# Altium PCB FMC_ADC_100M_10B_16CHA_TDC.PcbDoc (part 2 of 4)
Units mm, origin at the board's own origin, x right, y up, seen from the top; angles counter-clockwise.
Board outline 76.78 x 69 mm, 6 copper layers (TOP, G1, L1, G2, POWER, BOTTOM), stack 1.282 mm thick; 796 components, 673 nets, 2963 pads, 62 vias.
Unrouted connection lines stored in the file: 2096.
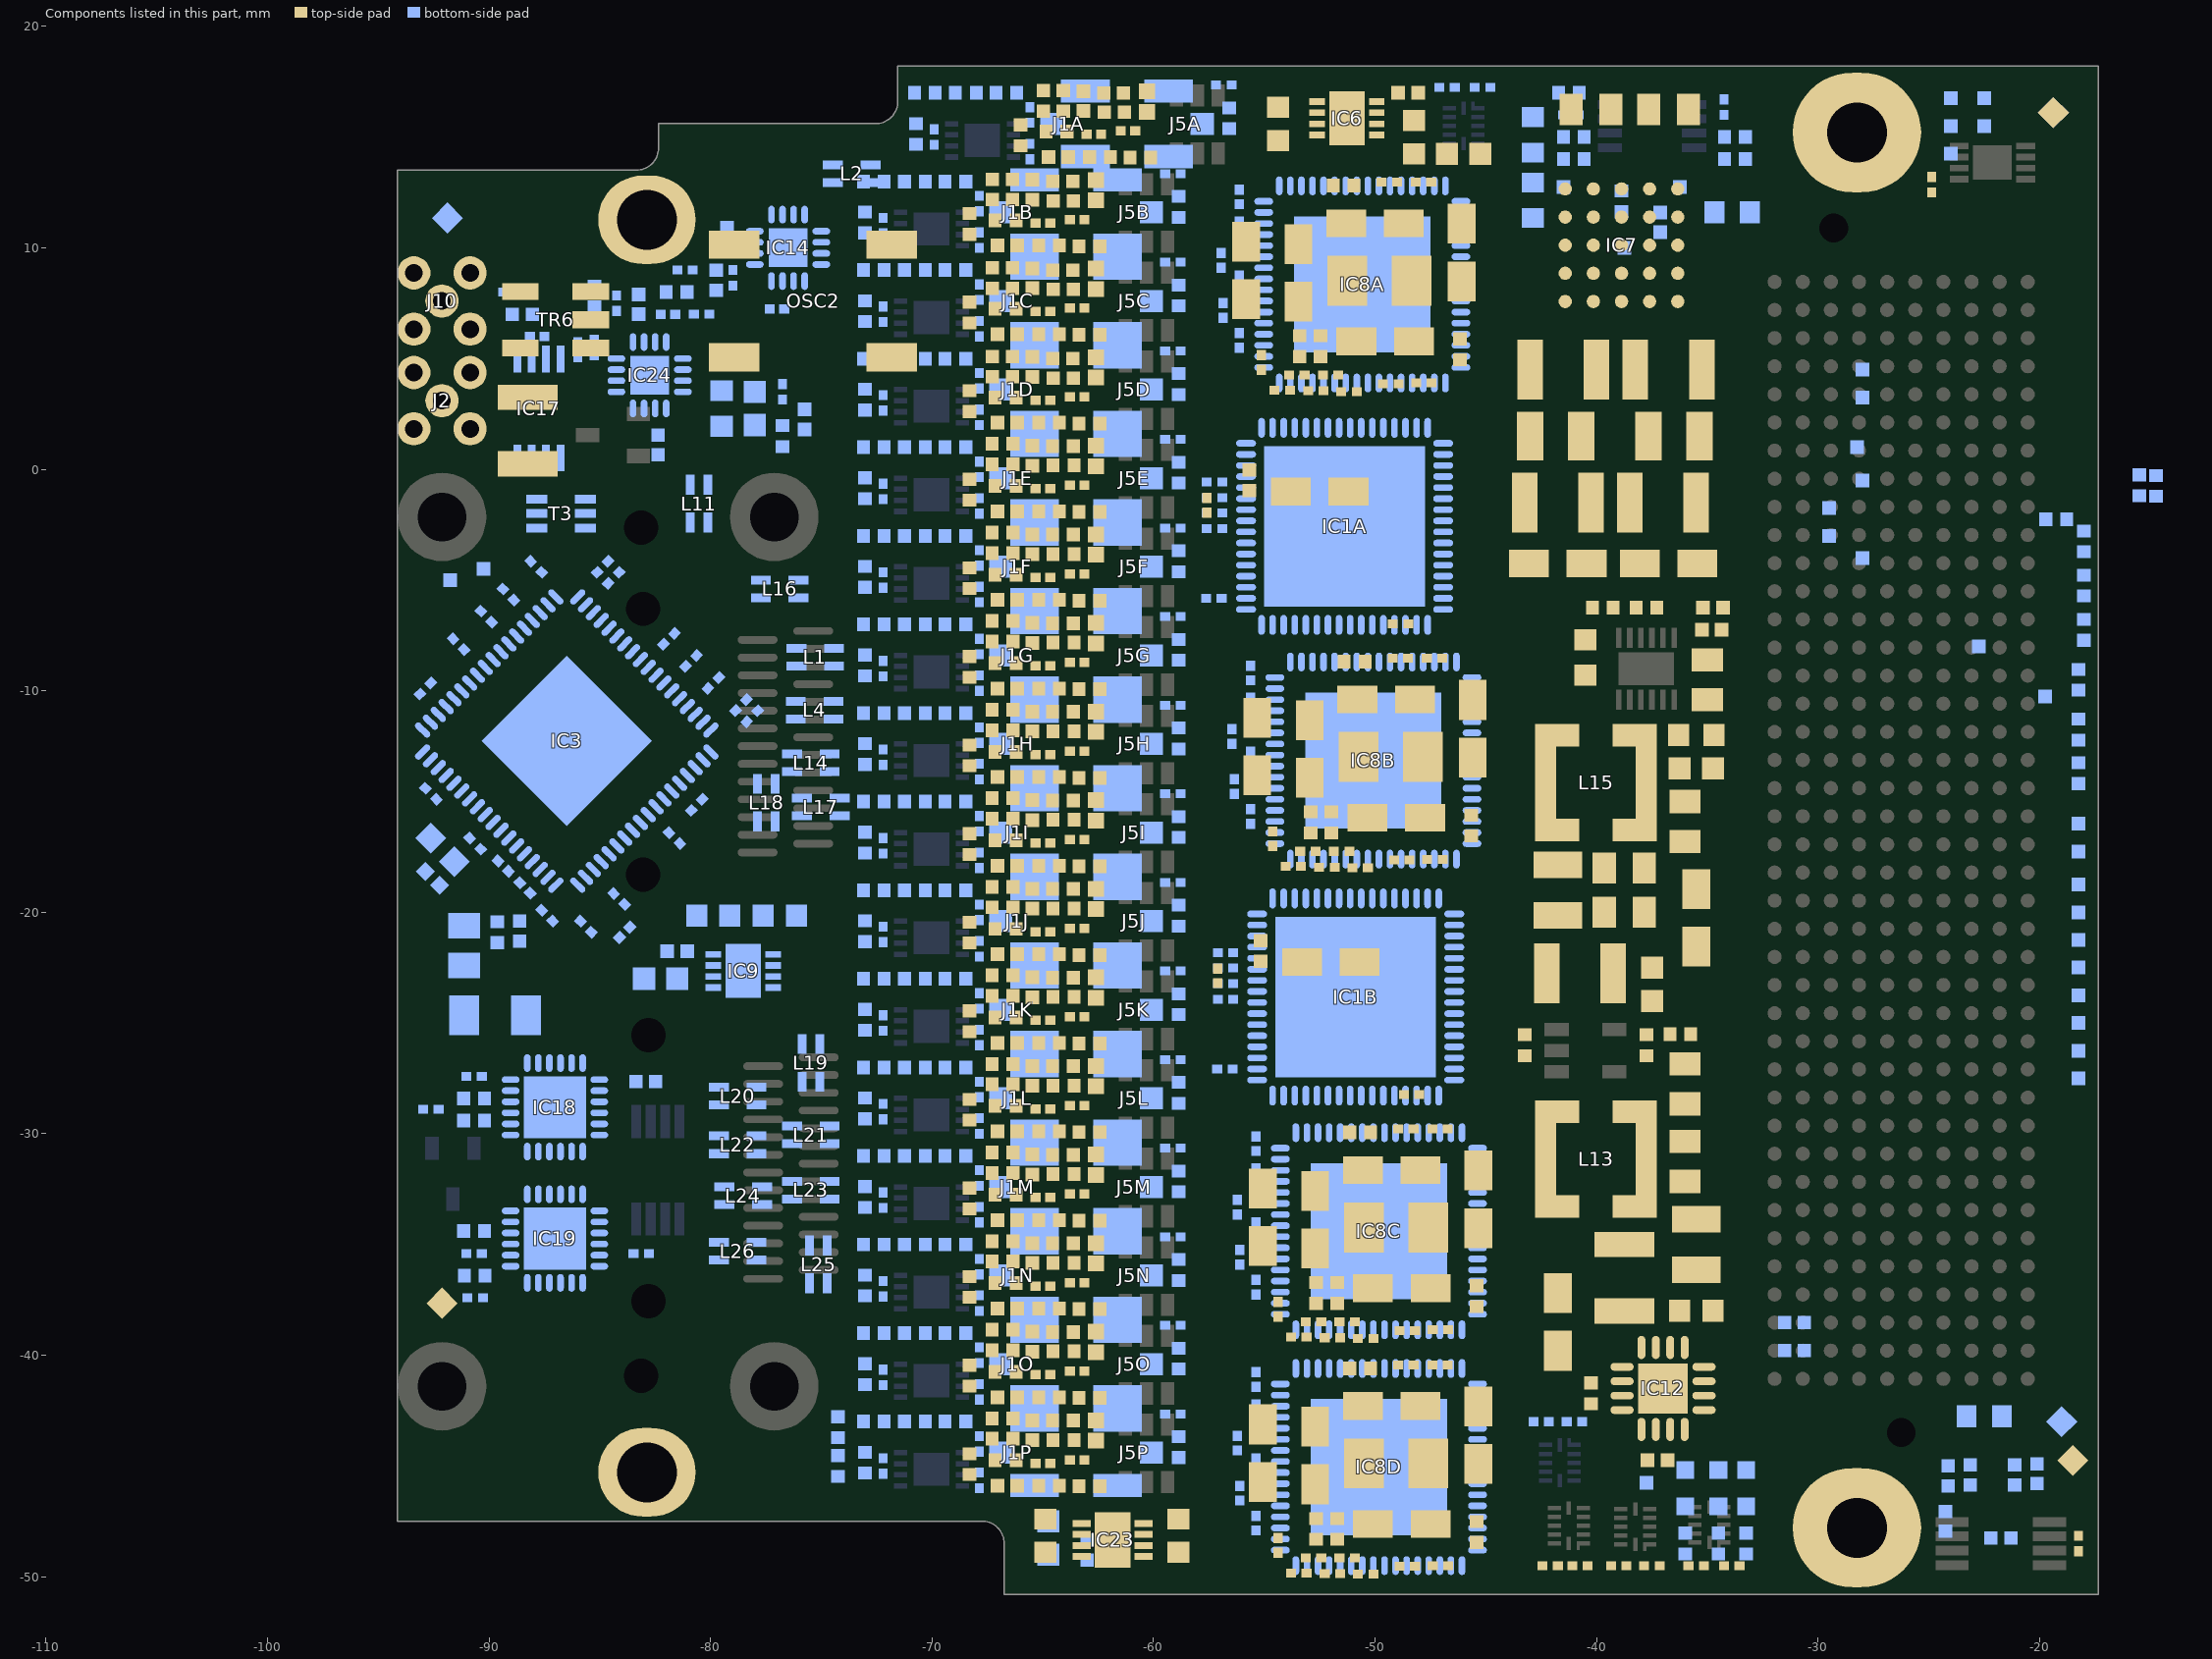
[diagram p5: the components of this part, seen from the top]

## Components (designator, comment, footprint, x,y, rotation, side; value= is the part's Value field where it differs from the comment) (continued)
L27 "120R@100MHz" INDC1608X65N -35.5,-13.5 r0 top
L28 "1uH" INDC2620X100N -35.5,-35 r270 top
L29 "1uH" INDC2620X100N -41.75,-19 r270 top
L30 "120R@100MHz" INDC1608X65N -37.5,-23.25 r270 top
L31 "600R@100MHz" INDC1005X55N -79.75,8.54 r90 bottom
LD3 "Green" LED_KINGBRIGHT_KPH-1608CGCK -34.5,-46 r270 bottom
LD5 "Green" LED_KINGBRIGHT_KPH-1608CGCK -36,-46 r270 bottom
LD8 "Green" LED_KINGBRIGHT_KPH-1608CGCK -33.25,-46 r270 bottom
OSC2 "100MHz" OSC_CRYSTEK_CVHD-950 -75.375,7.6 r180 top locked
R1A "100" RESC0603X28N -57.6,-1.621 r270 top (schematic designator R1)
R1B "100" RESC0603X28N -57.1,-22.871 r270 top (schematic designator R1)
R2 "4R7" RESC1005X40N#1 -74.25,-45 r90 bottom
R3 "Undefined" RESC1005X40N#1 -74.25,-43.25 r270 bottom
R4 "10k" RESC1005X40N#2 -82.925,-27.65 r0 bottom
R5 "10k" RESC1005X40N#2 -21.75,-48.25 r0 bottom
R6 "100k" RESC1005X40N#1 -37.75,-26 r270 top
R7A "20" RESC1005X40N#2 -61.775,16.125 r0 top (schematic designator R7)
R7B "20" RESC1005X40N#2 -64.075,12.125 r0 top (schematic designator R7)
R7C "20" RESC1005X40N#2 -64.075,8.125 r0 top (schematic designator R7)
R7D "20" RESC1005X40N#2 -64.075,4.125 r0 top (schematic designator R7)
R7E "20" RESC1005X40N#1 -64.065,0.175 r0 top (schematic designator R7)
R7F "20" RESC1005X40N#1 -64.065,-3.825 r0 top (schematic designator R7)
R7G "20" RESC1005X40N#1 -64.065,-7.825 r0 top (schematic designator R7)
R7H "20" RESC1005X40N#1 -64.065,-11.825 r0 top (schematic designator R7)
R7I "20" RESC1005X40N#1 -64.065,-15.825 r0 top (schematic designator R7)
R7J "20" RESC1005X40N#1 -64.065,-19.825 r0 top (schematic designator R7)
R7K "20" RESC1005X40N#1 -64.065,-23.825 r0 top (schematic designator R7)
R7L "20" RESC1005X40N#1 -64.065,-27.825 r0 top (schematic designator R7)
R7M "20" RESC1005X40N#1 -64.065,-31.825 r0 top (schematic designator R7)
R7N "20" RESC1005X40N#1 -64.065,-35.825 r0 top (schematic designator R7)
R7O "20" RESC1005X40N#1 -64.065,-39.825 r0 top (schematic designator R7)
R7P "20" RESC1005X40N#1 -64.065,-43.825 r0 top (schematic designator R7)
R8 "43k" RESC1005X40N#1 -36.22,-25.5 r180 top
R9 "1k" RESC1005X40N#1 -36,-48.5 r270 bottom
R10 "2k2" RESC1005X40N#1 -41.03,15 r180 bottom
R11 "1k" RESC1005X40N#1 -34.5,-48.5 r270 bottom
R12 "2k2" RESC1005X40N#1 -41.03,14 r180 bottom
R14 "10k" RESC1005X40N#1 -43.25,-26 r90 top
R17 "10k" RESC1005X40N#1 -33.25,-48.5 r270 bottom
R19A "47" RESC1005X40N#2 -64.525,16.175 r0 top (schematic designator R19)
R19B "47" RESC1005X40N#2 -66.825,12.175 r0 top (schematic designator R19)
R19C "47" RESC1005X40N#2 -66.825,8.175 r0 top (schematic designator R19)
R19D "47" RESC1005X40N#2 -66.825,4.175 r0 top (schematic designator R19)
R19E "47" RESC1005X40N#1 -66.815,0.225 r0 top (schematic designator R19)
R19F "47" RESC1005X40N#1 -66.815,-3.775 r0 top (schematic designator R19)
R19G "47" RESC1005X40N#1 -66.815,-7.775 r0 top (schematic designator R19)
R19H "47" RESC1005X40N#1 -66.815,-11.775 r0 top (schematic designator R19)
R19I "47" RESC1005X40N#1 -66.815,-15.775 r0 top (schematic designator R19)
R19J "47" RESC1005X40N#1 -66.815,-19.775 r0 top (schematic designator R19)
R19K "47" RESC1005X40N#1 -66.815,-23.775 r0 top (schematic designator R19)
R19L "47" RESC1005X40N#1 -66.815,-27.775 r0 top (schematic designator R19)
R19M "47" RESC1005X40N#1 -66.815,-31.775 r0 top (schematic designator R19)
R19N "47" RESC1005X40N#1 -66.815,-35.775 r0 top (schematic designator R19)
R19O "47" RESC1005X40N#1 -66.815,-39.775 r0 top (schematic designator R19)
R19P "47" RESC1005X40N#1 -66.815,-43.775 r0 top (schematic designator R19)
R20 "100" RESC0603X28N -81.92,7 r0 bottom
R21A "100" RESC0603X28N -61.15,15.275 r180 top (schematic designator R21)
R21B "100" RESC0603X28N -63.45,11.275 r180 top (schematic designator R21)
R21C "100" RESC0603X28N -63.45,7.275 r180 top (schematic designator R21)
R21D "100" RESC0603X28N -63.45,3.275 r180 top (schematic designator R21)
R21E "100" RESC0603X28N -63.45,-0.725 r180 top (schematic designator R21)
R21F "100" RESC0603X28N -63.45,-4.725 r180 top (schematic designator R21)
R21G "100" RESC0603X28N -63.45,-8.725 r180 top (schematic designator R21)
R21H "100" RESC0603X28N -63.45,-12.725 r180 top (schematic designator R21)
R21I "100" RESC0603X28N -63.45,-16.725 r180 top (schematic designator R21)
R21J "100" RESC0603X28N -63.45,-20.725 r180 top (schematic designator R21)
R21K "100" RESC0603X28N -63.45,-24.725 r180 top (schematic designator R21)
R21L "100" RESC0603X28N -63.45,-28.725 r180 top (schematic designator R21)
R21M "100" RESC0603X28N -63.45,-32.725 r180 top (schematic designator R21)
R21N "100" RESC0603X28N -63.45,-36.725 r180 top (schematic designator R21)
R21O "100" RESC0603X28N -63.45,-40.725 r180 top (schematic designator R21)
R21P "100" RESC0603X28N -63.45,-44.725 r180 top (schematic designator R21)
R23 "0" RESC1005X40N#2 -31.066,-39.795 r0 bottom
R24A "47" RESC1005X40N#2 -64.525,17.1 r0 top (schematic designator R24)
R24B "47" RESC1005X40N#2 -66.825,13.1 r0 top (schematic designator R24)
R24C "47" RESC1005X40N#2 -66.825,9.1 r0 top (schematic designator R24)
R24D "47" RESC1005X40N#2 -66.825,5.1 r0 top (schematic designator R24)
R24E "47" RESC1005X40N#1 -66.815,1.15 r0 top (schematic designator R24)
R24F "47" RESC1005X40N#1 -66.815,-2.85 r0 top (schematic designator R24)
R24G "47" RESC1005X40N#1 -66.815,-6.85 r0 top (schematic designator R24)
R24H "47" RESC1005X40N#1 -66.815,-10.85 r0 top (schematic designator R24)
R24I "47" RESC1005X40N#1 -66.815,-14.85 r0 top (schematic designator R24)
R24J "47" RESC1005X40N#1 -66.815,-18.85 r0 top (schematic designator R24)
R24K "47" RESC1005X40N#1 -66.815,-22.85 r0 top (schematic designator R24)
R24L "47" RESC1005X40N#1 -66.815,-26.85 r0 top (schematic designator R24)
R24M "47" RESC1005X40N#1 -66.815,-30.85 r0 top (schematic designator R24)
R24N "47" RESC1005X40N#1 -66.815,-34.85 r0 top (schematic designator R24)
R24O "47" RESC1005X40N#1 -66.815,-38.85 r0 top (schematic designator R24)
R24P "47" RESC1005X40N#1 -66.815,-42.85 r0 top (schematic designator R24)
R25A "20" RESC1005X40N#2 -61.8,17 r0 top (schematic designator R25)
R25B "20" RESC1005X40N#2 -64.1,13 r0 top (schematic designator R25)
R25C "20" RESC1005X40N#2 -64.1,9 r0 top (schematic designator R25)
R25D "20" RESC1005X40N#2 -64.1,5 r0 top (schematic designator R25)
R25E "20" RESC1005X40N#1 -64.09,1.05 r0 top (schematic designator R25)
R25F "20" RESC1005X40N#1 -64.09,-2.95 r0 top (schematic designator R25)
R25G "20" RESC1005X40N#1 -64.09,-6.95 r0 top (schematic designator R25)
R25H "20" RESC1005X40N#1 -64.09,-10.95 r0 top (schematic designator R25)
R25I "20" RESC1005X40N#1 -64.09,-14.95 r0 top (schematic designator R25)
R25J "20" RESC1005X40N#1 -64.09,-18.95 r0 top (schematic designator R25)
R25K "20" RESC1005X40N#1 -64.09,-22.95 r0 top (schematic designator R25)
R25L "20" RESC1005X40N#1 -64.09,-26.95 r0 top (schematic designator R25)
R25M "20" RESC1005X40N#1 -64.09,-30.95 r0 top (schematic designator R25)
R25N "20" RESC1005X40N#1 -64.09,-34.95 r0 top (schematic designator R25)
R25O "20" RESC1005X40N#1 -64.09,-38.95 r0 top (schematic designator R25)
R25P "20" RESC1005X40N#1 -64.09,-42.95 r0 top (schematic designator R25)
R26 "1k" RESC1005X40N#1 -76.75,1.5 r90 bottom
R27 "0" RESC1005X40N#2 -31.066,-38.525 r0 bottom
R29 "100" RESC0603X28N -89.358,-17.917 r135 bottom
R30 "100" RESC0603X28N -83.875,-20.9 r225 bottom
R31 "82k" RESC1005X40N#1 -89.625,-20.9 r90 bottom
R32 "10k" RESC1005X40N#2 -24.25,-47.5 r90 bottom
R33 "10k" RESC1005X40N#1 -40.25,-41.72 r270 top
R34 "11k8" RESC1608X55N -33.875,11.6 r0 bottom
R36 "5k62" RESC1608X55N -42.875,12.15 r90 bottom
R38 "1k78" RESC1608X55N -42.875,15.1 r90 bottom
R39 "0" RESC1005X40N#2 -21.125,-45.4 r90 bottom
R40 "0" RESC1005X40N#2 -88.5,7 r180 bottom
R42 "0" RESC1005X40N#2 -23.125,-45.4 r90 bottom
R43 "10k" RESC1005X40N#2 -20.125,-45.35 r270 bottom
R44 "10k" RESC1005X40N#2 -24.125,-45.45 r270 bottom
R45 "200k" RESC1005X40N#1 -38.875,12.1 r270 bottom
R46 "160k" RESC1005X40N#1 -37.75,-6.25 r180 top
R47 "56k" RESC1005X40N#1 -39.72,-6.25 r180 top
R48 "10k" RESC1005X40N#2 -88.625,-20.85 r90 bottom
R49 "10k" RESC1005X40N#1 -19.25,-2.25 r180 bottom
R50 "100" RESC0603X28N -77,7.25 r180 bottom
R51 "470" RESC1005X40N#1 -18.25,-9.5 r90 bottom
R52 "49R9" RESC3225X70N -88.25,1.75 r90 top
R54 "470" RESC1005X40N#2 -82.375,1.1 r90 bottom
R55 "470" RESC1005X40N#1 -18.25,-13.72 r90 bottom
R56 "470" RESC1005X40N#1 -18.25,-11.75 r90 bottom
R57 "470" RESC1005X40N#1 -18,-3.25 r90 bottom
R58 "470" RESC1005X40N#1 -14.75,-0.75 r90 bottom
R59 "470" RESC1005X40N#1 -18,-7.25 r90 bottom
R60 "470" RESC1005X40N#1 -15.5,-0.72 r90 bottom
R61 "470" RESC1005X40N#1 -18,-5.25 r90 bottom
R74 "4k7" RESC1608X55N -22.5,-42.75 r180 bottom
R75 "100" RESC0603X28N -87.83,6 r180 bottom
R82 "100" RESC0603X28N -88.375,-18.9 r135 bottom
R83 "2k2" RESC1005X40N#1 -33.75,15 r0 bottom
R110A "270" RESC1005X40N#1 -66,15.08 r270 top (schematic designator R110)
R110B "270" RESC1005X40N#1 -68.3,11.08 r270 top (schematic designator R110)
R110C "270" RESC1005X40N#1 -68.3,7.08 r270 top (schematic designator R110)
R110D "270" RESC1005X40N#1 -68.3,3.08 r270 top (schematic designator R110)
R110E "270" RESC1005X40N#1 -68.3,-0.92 r270 top (schematic designator R110)
R110F "270" RESC1005X40N#1 -68.3,-4.92 r270 top (schematic designator R110)
R110G "270" RESC1005X40N#1 -68.3,-8.92 r270 top (schematic designator R110)
R110H "270" RESC1005X40N#1 -68.3,-12.92 r270 top (schematic designator R110)
R110I "270" RESC1005X40N#1 -68.3,-16.92 r270 top (schematic designator R110)
R110J "270" RESC1005X40N#1 -68.3,-20.92 r270 top (schematic designator R110)
R110K "270" RESC1005X40N#1 -68.3,-24.92 r270 top (schematic designator R110)
R110L "270" RESC1005X40N#1 -68.3,-28.92 r270 top (schematic designator R110)
R110M "270" RESC1005X40N#1 -68.3,-32.92 r270 top (schematic designator R110)
R110N "270" RESC1005X40N#1 -68.3,-36.92 r270 top (schematic designator R110)
R110O "270" RESC1005X40N#1 -68.3,-40.92 r270 top (schematic designator R110)
R110P "270" RESC1005X40N#1 -68.3,-44.92 r270 top (schematic designator R110)
R111A "120" RESC1005X40N#1 -66.645,17 r0 bottom (schematic designator R111)
R111B "120" RESC1005X40N#1 -68.945,13 r0 bottom (schematic designator R111)
R111C "120" RESC1005X40N#1 -68.945,9 r0 bottom (schematic designator R111)
R111D "120" RESC1005X40N#1 -68.945,5 r0 bottom (schematic designator R111)
R111E "120" RESC1005X40N#1 -68.945,1 r0 bottom (schematic designator R111)
R111F "120" RESC1005X40N#1 -68.945,-3 r0 bottom (schematic designator R111)
R111G "120" RESC1005X40N#1 -68.945,-7 r0 bottom (schematic designator R111)
R111H "120" RESC1005X40N#1 -68.945,-11 r0 bottom (schematic designator R111)
R111I "120" RESC1005X40N#1 -68.945,-15 r0 bottom (schematic designator R111)
R111J "120" RESC1005X40N#1 -68.945,-19 r0 bottom (schematic designator R111)
R111K "120" RESC1005X40N#1 -68.945,-23 r0 bottom (schematic designator R111)
R111L "120" RESC1005X40N#1 -68.945,-27 r0 bottom (schematic designator R111)
R111M "120" RESC1005X40N#1 -68.945,-31 r0 bottom (schematic designator R111)
R111N "120" RESC1005X40N#1 -68.945,-35 r0 bottom (schematic designator R111)
R111O "120" RESC1005X40N#1 -68.945,-39 r0 bottom (schematic designator R111)
R111P "120" RESC1005X40N#1 -68.945,-43 r0 bottom (schematic designator R111)
R112A "4R7" RESC1005X40N#1 -64.38,15.25 r0 top (schematic designator R112)
R112B "4R7" RESC1005X40N#1 -66.68,11.25 r0 top (schematic designator R112)
R112C "4R7" RESC1005X40N#1 -66.68,7.25 r0 top (schematic designator R112)
R112D "4R7" RESC1005X40N#1 -66.68,3.25 r0 top (schematic designator R112)
R112E "4R7" RESC1005X40N#1 -66.68,-0.75 r0 top (schematic designator R112)
R112F "4R7" RESC1005X40N#1 -66.68,-4.75 r0 top (schematic designator R112)
R112G "4R7" RESC1005X40N#1 -66.68,-8.75 r0 top (schematic designator R112)
R112H "4R7" RESC1005X40N#1 -66.68,-12.75 r0 top (schematic designator R112)
R112I "4R7" RESC1005X40N#1 -66.68,-16.75 r0 top (schematic designator R112)
R112J "4R7" RESC1005X40N#1 -66.68,-20.75 r0 top (schematic designator R112)
R112K "4R7" RESC1005X40N#1 -66.68,-24.75 r0 top (schematic designator R112)
R112L "4R7" RESC1005X40N#1 -66.68,-28.75 r0 top (schematic designator R112)
R112M "4R7" RESC1005X40N#1 -66.68,-32.75 r0 top (schematic designator R112)
R112N "4R7" RESC1005X40N#1 -66.68,-36.75 r0 top (schematic designator R112)
R112O "4R7" RESC1005X40N#1 -66.68,-40.75 r0 top (schematic designator R112)
R112P "4R7" RESC1005X40N#1 -66.68,-44.75 r0 top (schematic designator R112)
R113A "120" RESC1005X40N#1 -70.325,17 r180 bottom (schematic designator R113)
R113B "120" RESC1005X40N#1 -72.625,13 r180 bottom (schematic designator R113)
R113C "120" RESC1005X40N#1 -72.625,9 r180 bottom (schematic designator R113)
R113D "120" RESC1005X40N#1 -72.625,5 r180 bottom (schematic designator R113)
R113E "120" RESC1005X40N#1 -72.625,1 r180 bottom (schematic designator R113)
R113F "120" RESC1005X40N#1 -72.625,-3 r180 bottom (schematic designator R113)
R113G "120" RESC1005X40N#1 -72.625,-7 r180 bottom (schematic designator R113)
R113H "120" RESC1005X40N#1 -72.625,-11 r180 bottom (schematic designator R113)
R113I "120" RESC1005X40N#1 -72.625,-15 r180 bottom (schematic designator R113)
R113J "120" RESC1005X40N#1 -72.625,-19 r180 bottom (schematic designator R113)
R113K "120" RESC1005X40N#1 -72.625,-23 r180 bottom (schematic designator R113)
R113L "120" RESC1005X40N#1 -72.625,-27 r180 bottom (schematic designator R113)
R113M "120" RESC1005X40N#1 -72.625,-31 r180 bottom (schematic designator R113)
R113N "120" RESC1005X40N#1 -72.625,-35 r180 bottom (schematic designator R113)
R113O "120" RESC1005X40N#1 -72.625,-39 r180 bottom (schematic designator R113)
R113P "120" RESC1005X40N#1 -72.625,-43 r180 bottom (schematic designator R113)
R114A "160" RESC1005X40N#1 -68.475,17 r180 bottom (schematic designator R114)
R114B "160" RESC1005X40N#1 -70.775,13 r180 bottom (schematic designator R114)
R114C "160" RESC1005X40N#1 -70.775,9 r180 bottom (schematic designator R114)
R114D "160" RESC1005X40N#1 -70.775,5 r180 bottom (schematic designator R114)
R114E "160" RESC1005X40N#1 -70.775,1 r180 bottom (schematic designator R114)
R114F "160" RESC1005X40N#1 -70.775,-3 r180 bottom (schematic designator R114)
R114G "160" RESC1005X40N#1 -70.775,-7 r180 bottom (schematic designator R114)
R114H "160" RESC1005X40N#1 -70.775,-11 r180 bottom (schematic designator R114)
R114I "160" RESC1005X40N#1 -70.775,-15 r180 bottom (schematic designator R114)
R114J "160" RESC1005X40N#1 -70.775,-19 r180 bottom (schematic designator R114)
R114K "160" RESC1005X40N#1 -70.775,-23 r180 bottom (schematic designator R114)
R114L "160" RESC1005X40N#1 -70.775,-27 r180 bottom (schematic designator R114)
R114M "160" RESC1005X40N#1 -70.775,-31 r180 bottom (schematic designator R114)
R114N "160" RESC1005X40N#1 -70.775,-35 r180 bottom (schematic designator R114)
R114O "160" RESC1005X40N#1 -70.775,-39 r180 bottom (schematic designator R114)
R114P "160" RESC1005X40N#1 -70.775,-43 r180 bottom (schematic designator R114)
R115A "100" RESC0603X28N -62.7,15.125 r180 top (schematic designator R115)
R115B "100" RESC0603X28N -65,11.125 r180 top (schematic designator R115)
R115C "100" RESC0603X28N -65,7.125 r180 top (schematic designator R115)
R115D "100" RESC0603X28N -65,3.125 r180 top (schematic designator R115)
R115E "100" RESC0603X28N -65,-0.875 r180 top (schematic designator R115)
R115F "100" RESC0603X28N -65,-4.875 r180 top (schematic designator R115)
R115G "100" RESC0603X28N -65,-8.875 r180 top (schematic designator R115)
R115H "100" RESC0603X28N -65,-12.875 r180 top (schematic designator R115)
R115I "100" RESC0603X28N -65,-16.875 r180 top (schematic designator R115)
R115J "100" RESC0603X28N -65,-20.875 r180 top (schematic designator R115)
R115K "100" RESC0603X28N -65,-24.875 r180 top (schematic designator R115)
R115L "100" RESC0603X28N -65,-28.875 r180 top (schematic designator R115)
R115M "100" RESC0603X28N -65,-32.875 r180 top (schematic designator R115)
R115N "100" RESC0603X28N -65,-36.875 r180 top (schematic designator R115)
R115O "100" RESC0603X28N -65,-40.875 r180 top (schematic designator R115)
R115P "100" RESC0603X28N -65,-44.875 r180 top (schematic designator R115)
R116A "51" RESC1005X40N#1 -56.575,15.85 r270 bottom (schematic designator R116)
R116B "51" RESC1005X40N#1 -58.875,11.85 r270 bottom (schematic designator R116)
R116C "51" RESC1005X40N#1 -58.875,7.85 r270 bottom (schematic designator R116)
R116D "51" RESC1005X40N#1 -58.875,3.85 r270 bottom (schematic designator R116)
R116E "51" RESC1005X40N#1 -58.875,-0.15 r270 bottom (schematic designator R116)
R116F "51" RESC1005X40N#1 -58.875,-4.15 r270 bottom (schematic designator R116)
R116G "51" RESC1005X40N#1 -58.875,-8.15 r270 bottom (schematic designator R116)
R116H "51" RESC1005X40N#1 -58.875,-12.15 r270 bottom (schematic designator R116)
R116I "51" RESC1005X40N#1 -58.875,-16.15 r270 bottom (schematic designator R116)
R116J "51" RESC1005X40N#1 -58.875,-20.15 r270 bottom (schematic designator R116)
R116K "51" RESC1005X40N#1 -58.875,-24.15 r270 bottom (schematic designator R116)
R116L "51" RESC1005X40N#1 -58.875,-28.15 r270 bottom (schematic designator R116)
R116M "51" RESC1005X40N#1 -58.875,-32.15 r270 bottom (schematic designator R116)
R116N "51" RESC1005X40N#1 -58.875,-36.15 r270 bottom (schematic designator R116)
R116O "51" RESC1005X40N#1 -58.875,-40.15 r270 bottom (schematic designator R116)
R116P "51" RESC1005X40N#1 -58.875,-44.15 r270 bottom (schematic designator R116)
R117A "270" RESC1005X40N#1 -70.725,15.145 r90 bottom (schematic designator R117)
R117B "270" RESC1005X40N#1 -73.025,11.145 r90 bottom (schematic designator R117)
R117C "270" RESC1005X40N#1 -73.025,7.145 r90 bottom (schematic designator R117)
R117D "270" RESC1005X40N#1 -73.025,3.145 r90 bottom (schematic designator R117)
R117E "270" RESC1005X40N#1 -73.025,-0.855 r90 bottom (schematic designator R117)
R117F "270" RESC1005X40N#1 -73.025,-4.855 r90 bottom (schematic designator R117)
R117G "270" RESC1005X40N#1 -73.025,-8.855 r90 bottom (schematic designator R117)
R117H "270" RESC1005X40N#1 -73.025,-12.855 r90 bottom (schematic designator R117)
R117I "270" RESC1005X40N#1 -73.025,-16.855 r90 bottom (schematic designator R117)
R117J "270" RESC1005X40N#1 -73.025,-20.855 r90 bottom (schematic designator R117)
R117K "270" RESC1005X40N#1 -73.025,-24.855 r90 bottom (schematic designator R117)
R117L "270" RESC1005X40N#1 -73.025,-28.855 r90 bottom (schematic designator R117)
R117M "270" RESC1005X40N#1 -73.025,-32.855 r90 bottom (schematic designator R117)
R117N "270" RESC1005X40N#1 -73.025,-36.855 r90 bottom (schematic designator R117)
R117O "270" RESC1005X40N#1 -73.025,-40.855 r90 bottom (schematic designator R117)
R117P "270" RESC1005X40N#1 -73.025,-44.855 r90 bottom (schematic designator R117)
R118A "120" RESC1005X40N#1 -62.42,14.1 r0 top (schematic designator R118)
R118B "120" RESC1005X40N#1 -64.72,10.1 r0 top (schematic designator R118)
R118C "120" RESC1005X40N#1 -64.72,6.1 r0 top (schematic designator R118)
R118D "120" RESC1005X40N#1 -64.72,2.1 r0 top (schematic designator R118)
R118E "120" RESC1005X40N#1 -64.72,-1.9 r0 top (schematic designator R118)
R118F "120" RESC1005X40N#1 -64.72,-5.9 r0 top (schematic designator R118)
R118G "120" RESC1005X40N#1 -64.72,-9.9 r0 top (schematic designator R118)
R118H "120" RESC1005X40N#1 -64.72,-13.9 r0 top (schematic designator R118)
R118I "120" RESC1005X40N#1 -64.72,-17.9 r0 top (schematic designator R118)
R118J "120" RESC1005X40N#1 -64.72,-21.9 r0 top (schematic designator R118)
R118K "120" RESC1005X40N#1 -64.72,-25.9 r0 top (schematic designator R118)
R118L "120" RESC1005X40N#1 -64.72,-29.9 r0 top (schematic designator R118)
R118M "120" RESC1005X40N#1 -64.72,-33.9 r0 top (schematic designator R118)
R118N "120" RESC1005X40N#1 -64.72,-37.9 r0 top (schematic designator R118)
R118O "120" RESC1005X40N#1 -64.72,-41.9 r0 top (schematic designator R118)
R118P "120" RESC1005X40N#1 -64.72,-45.9 r0 top (schematic designator R118)
R120A "4R7" RESC1005X40N#1 -60.595,14.075 r180 top (schematic designator R120)
R120B "4R7" RESC1005X40N#1 -62.895,10.075 r180 top (schematic designator R120)
R120C "4R7" RESC1005X40N#1 -62.895,6.075 r180 top (schematic designator R120)
R120D "4R7" RESC1005X40N#1 -62.895,2.075 r180 top (schematic designator R120)
R120E "4R7" RESC1005X40N#1 -62.895,-1.925 r180 top (schematic designator R120)
R120F "4R7" RESC1005X40N#1 -62.895,-5.925 r180 top (schematic designator R120)
R120G "4R7" RESC1005X40N#1 -62.895,-9.925 r180 top (schematic designator R120)
R120H "4R7" RESC1005X40N#1 -62.895,-13.925 r180 top (schematic designator R120)
R120I "4R7" RESC1005X40N#1 -62.895,-17.925 r180 top (schematic designator R120)
R120J "4R7" RESC1005X40N#1 -62.895,-21.925 r180 top (schematic designator R120)
R120K "4R7" RESC1005X40N#1 -62.895,-25.925 r180 top (schematic designator R120)
R120L "4R7" RESC1005X40N#1 -62.895,-29.925 r180 top (schematic designator R120)
R120M "4R7" RESC1005X40N#1 -62.895,-33.925 r180 top (schematic designator R120)
R120N "4R7" RESC1005X40N#1 -62.895,-37.925 r180 top (schematic designator R120)
R120O "4R7" RESC1005X40N#1 -62.895,-41.925 r180 top (schematic designator R120)
R120P "4R7" RESC1005X40N#1 -62.895,-45.925 r180 top (schematic designator R120)
R121 "0" RESC1005X40N#1 -90.675,-28.4 r0 bottom
R122 "0" RESC1005X40N#1 -90.675,-29.4 r0 bottom
R123 "0" RESC1005X40N#1 -90.675,-34.4 r0 bottom
R124 "0" RESC1005X40N#1 -90.645,-36.4 r0 bottom
R125A "100" RESC0603X28N -56.859,7.172 r90 bottom (schematic designator R125)
R125B "100" RESC0603X28N -56.359,-14.328 r90 bottom (schematic designator R125)
R125C "100" RESC0603X28N -56.109,-35.578 r90 bottom (schematic designator R125)
R125D "100" RESC0603X28N -56.109,-46.228 r90 bottom (schematic designator R125)
R126A "100" RESC0603X28N -56.122,12.303 r90 bottom (schematic designator R126)
R126B "100" RESC0603X28N -55.622,-9.197 r90 bottom (schematic designator R126)
R126C "100" RESC0603X28N -55.372,-30.447 r90 bottom (schematic designator R126)
R126D "100" RESC0603X28N -55.372,-41.097 r90 bottom (schematic designator R126)
R127A "100" RESC0603X28N -56.125,10.85 r90 bottom (schematic designator R127)
R127B "100" RESC0603X28N -55.625,-10.65 r90 bottom (schematic designator R127)
R127C "100" RESC0603X28N -55.375,-31.9 r90 bottom (schematic designator R127)
R127D "100" RESC0603X28N -55.375,-42.55 r90 bottom (schematic designator R127)
R128A "100" RESC0603X28N -56.125,5.82 r90 bottom (schematic designator R128)
R128B "100" RESC0603X28N -55.625,-15.68 r90 bottom (schematic designator R128)
R128C "100" RESC0603X28N -55.375,-36.93 r90 bottom (schematic designator R128)
R128D "100" RESC0603X28N -55.375,-47.58 r90 bottom (schematic designator R128)
R129A "100" RESC0603X28N -55.125,4.82 r90 top (schematic designator R129)
R129B "100" RESC0603X28N -54.625,-16.68 r90 top (schematic designator R129)
R129C "100" RESC0603X28N -54.375,-37.93 r90 top (schematic designator R129)
R129D "100" RESC0603X28N -54.375,-48.58 r90 top (schematic designator R129)
R130A "100" RESC0603X28N -56.96,9.433 r90 bottom (schematic designator R130)
R130B "100" RESC0603X28N -56.46,-12.067 r90 bottom (schematic designator R130)
R130C "100" RESC0603X28N -56.21,-33.317 r90 bottom (schematic designator R130)
R130D "100" RESC0603X28N -56.21,-43.967 r90 bottom (schematic designator R130)
R131A "100" RESC0603X28N -56.122,8.417 r90 bottom (schematic designator R131)
R131B "100" RESC0603X28N -55.622,-13.083 r90 bottom (schematic designator R131)
R131C "100" RESC0603X28N -55.372,-34.333 r90 bottom (schematic designator R131)
R131D "100" RESC0603X28N -55.372,-44.983 r90 bottom (schematic designator R131)
R132A "10" RESC1005X40N#1 -51.423,12.811 r180 top (schematic designator R132)
R132B "10" RESC1005X40N#1 -50.923,-8.689 r180 top (schematic designator R132)
R132C "10" RESC1005X40N#1 -50.673,-29.939 r180 top (schematic designator R132)
R132D "10" RESC1005X40N#1 -50.673,-40.589 r180 top (schematic designator R132)
R134A "10" RESC1005X40N#1 -46.165,5.419 r90 top (schematic designator R134)
R134B "10" RESC1005X40N#1 -45.665,-16.081 r90 top (schematic designator R134)
R134C "10" RESC1005X40N#1 -45.415,-37.331 r90 top (schematic designator R134)
R134D "10" RESC1005X40N#1 -45.415,-47.981 r90 top (schematic designator R134)
R135A "10" RESC1005X40N#1 -53.404,5.559 r270 top (schematic designator R135)
R135B "10" RESC1005X40N#1 -52.904,-15.941 r270 top (schematic designator R135)
R135C "10" RESC1005X40N#1 -52.654,-37.191 r270 top (schematic designator R135)
R135D "10" RESC1005X40N#1 -52.654,-47.841 r270 top (schematic designator R135)
R137A "10" RESC1005X40N#1 -52.464,5.559 r270 top (schematic designator R137)
R137B "10" RESC1005X40N#1 -51.964,-15.941 r270 top (schematic designator R137)
R137C "10" RESC1005X40N#1 -51.714,-37.191 r270 top (schematic designator R137)
R137D "10" RESC1005X40N#1 -51.714,-47.841 r270 top (schematic designator R137)
R165 "470" RESC1005X40N#1 -81.53,8 r180 bottom
R178 "2k2" RESC1005X40N#1 -33.75,14 r0 bottom
R179 "100k" RESC1005X40N#1 -41.25,17 r180 bottom
T3 "PMGD280UN" SOT65P210X110-6N -86.75,-2 r0 bottom
TP2 "Test Point" TPS62 -22.5,16.75 r90 bottom
TP3 "Test Point" TPS62 -24,16.75 r90 bottom
TP4 "Test Point" TPS62 -24,15.5 r90 bottom
TP5 "Test Point" TPS62 -38.75,10 r90 bottom
TP6 "Test Point" TPS62 -36.25,12.75 r90 bottom
TP7 "Test Point" TPS62 -41.5,12.75 r90 bottom
TP8 "Test Point" TPS62 -22.5,15.5 r90 bottom
TP9 "Test Point" TPS62 -24,14.25 r90 bottom
TP10 "Test Point" TPS62 -29.5,-1.75 r90 bottom
TP11 "Test Point" TPS62 -18.25,-21.25 r90 bottom
TP12 "Test Point" TPS62 -18.25,-16 r90 bottom
TP13 "Test Point" TPS62 -18.25,-23.75 r90 bottom
TP14 "Test Point" TPS62 -18.25,-22.5 r90 bottom
TP15 "Test Point" TPS62 -91.75,-5 r90 bottom
TP16 "Test Point" TPS62 -18.25,-27.5 r90 bottom
TP17 "Test Point" TPS62 -28,-0.5 r0 bottom
TP18 "Test Point" TPS62 -18.25,-20 r0 bottom
TP19 "Test Point" TPS62 -18.25,-18.75 r0 bottom
TP20 "Test Point" TPS62 -18.25,-25 r0 bottom
TP21 "Test Point" TPS62 -28,4.5 r90 bottom
TP22 "Test Point" TPS62 -19.75,-10.25 r90 bottom
TP23 "Test Point" TPS62 -37.75,-45.75 r90 bottom
TP24 "Test Point" TPS62 -18.25,-17.25 r90 bottom
TP25 "Test Point" TPS62 -28,-4 r90 bottom
TP26 "Test Point" TPS62 -28,3.25 r90 bottom
TP27 "Test Point" TPS62 -22.75,-8 r90 bottom
TP28 "Test Point" TPS62 -28.25,1 r90 bottom
TP29 "Test Point" TPS62 -18.25,-26.25 r90 bottom
TP30 "Test Point" TPS62 -90.25,-4.5 r90 bottom
TP31 "Test Point" TPS62 -29.5,-3 r90 bottom
TR6 "1:1" XFMR_MINI-CIRCUITS_AT224-1 -87,6.75 r270 top

## Footprints (in the part's own frame and the unit in brackets; to place one, negate y for a bottom-side part, rotate by r counter-clockwise, add the part's x,y. Pads: shape width x height; smd on the part's side, far side on the other; paste and mask are expansions set on the pad)
BGA25C127P5X5_625X625X262 [mm] "BGA, 1.27mm Pitch, Square; 25 Pin, 5 Columns X 5 Rows, 6.25mm X 6.25mm X 2.62mm H"
  round 0.6 smd: A1(-2.54,2.54) A2(-1.27,2.54) A3(0,2.54) A4(1.27,2.54) A5(2.54,2.54) B1(-2.54,1.27) B2(-1.27,1.27) B3(0,1.27) B4(1.27,1.27) B5(2.54,1.27) C1(-2.54,0) C2(-1.27,0) C3(0,0) C4(1.27,0) C5(2.54,0) D1(-2.54,-1.27) D2(-1.27,-1.27) D3(0,-1.27) D4(1.27,-1.27) D5(2.54,-1.27) E1(-2.54,-2.54) E2(-1.27,-2.54) E3(0,-2.54) E4(1.27,-2.54) E5(2.54,-2.54)
  silkscreen extent -3.87,-3.15 3.15,3.15, body extent -3.12,-3.12 3.13,3.13, height 2.62
CAPC0603X33N [mm] "Chip Capacitor, Body 0.6x0.30mm, IPC Medium Density"
  rect 0.45x0.4 smd: 1(-0.35,0) 2(0.35,0)
  body extent -0.31,-0.16 0.32,0.17, height 0.33
CAPC1005X55N [mm] "Chip Capacitor, Body 1.0x0.55mm, IPC Medium Density"
  rect 0.62x0.62 smd: 1(-0.45,0) 2(0.45,0)
  body extent -0.52,-0.27 0.53,0.28, height 0.55
CAPC1005X70N [mm] "Capacitor, Non-Polarized, Chip; 1.00mm L X 0.50mm W X 0.70mm H, IPC Medium Density"
  rect 0.71x0.72 smd: 1(-0.46,0) 2(0.46,0)
  body extent -0.6,-0.35 0.6,0.35, height 0.7
CAPC1608X80N [mm] "Chip Capacitor, Body 1.6x0.8mm IPC Medium Density"
  rect 1x1 smd: 1(-0.75,0) 2(0.75,0)
  body extent -0.87,-0.47 0.88,0.48, height 0.8
CAPC1608X87N [mm] "Chip Capacitor, Body 1.6x0.8mm IPC Medium Density"
  rect 0.95x1 smd: 1(-0.8,0) 2(0.8,0)
  body extent -0.87,-0.47 0.88,0.48, height 0.87
CAPC1709X95N [mm] "Capacitor, non-Polarized, Chip; 1.65mm L X 0.85mm W X 0.95mm H,IPC Medium Density"
  rect 0.95x1 smd: 1(-0.75,0) 2(0.75,0)
  body extent -0.87,-0.47 0.88,0.48, height 0.95
CAPC2012X88N [mm] "Chip Capacitor, Body 2.0x1.25mm, IPC Medium Density"
  rect 1.15x1.45 smd: 1(-0.9,0) 2(0.9,0)
  silkscreen extent 0,-0.58 0,0.58, body extent -1.05,-0.67 1.05,0.68, height 0.9
CAPC2012X135N [mm] "Chip Capacitor, Body 2.0x1.25mm, IPC Medium Density"
  rect 1.05x1.4 smd: 1(-0.9,0) 2(0.9,0)
  silkscreen extent 0,-0.58 0,0.58, body extent -1.05,-0.67 1.05,0.68, height 1.25
CAPC3216X130N [mm] "Chip Capacitor, Body 3.2x1.6mm, IPC Medium Density"
  rect 1.35x1.8 smd: 1(-1.4,0) 2(1.4,0)
  silkscreen extent -0.35,-0.8 0.35,0.8, body extent -1.7,-0.9 1.7,0.9, height 1.3
CAPC3225X270N [mm] "Chip Capacitor, Body 3.2x2.5mm, IPC Medium Density"
  rect 1.15x2.7 smd: 1(-1.5,0) 2(1.5,0)
  silkscreen extent -0.55,-1.25 0.55,1.25, body extent -1.7,-1.35 1.7,1.35, height 2.7
CAPMP3216X180N [mm] "Capacitor, Polarized, Molded  Body 3.2x1.6mm, IPC Medium Density"
  rect 1.8x1.25 smd: 1(-1.3,0) 2(1.3,0)
  silkscreen extent -2.4,-0.7 0,1.25, body extent -1.7,-0.9 1.7,0.9, height 1.6
CAPMP3528X210N [mm] "Capacitor, Polarized, Molded  Body 3.5x2.8mm, IPC Medium Density"
  rect 1.8x2.25 smd: 1(-1.45,0) 2(1.45,0)
  silkscreen extent -2.52,-1.5 1.85,1.72, body extent -1.85,-1.5 1.85,1.5, height 2.1
CP_8_5 [mil]
  rect 32x12 smd paste+0 mask+0: 1(-55,29.53) 2(-55,9.84) 3(-55,-9.84) 4(-55,-29.53) 5(55,-29.53) 6(55,-9.84) 7(55,9.84) 8(55,29.53)
  rect 64x98 smd paste-48.5 mask+0: 9(0,0)
  silkscreen extent -85,-64 64,64, body extent -61,-59 61,59, height 31
CP_8_21-L [mm]
  rect 0.703x0.3 smd paste+0 mask+0: 1(-1.352,0.75) 2(-1.352,0.25) 3(-1.352,-0.25) 4(-1.352,-0.75) 5(1.352,-0.75) 6(1.352,-0.25) 7(1.352,0.25) 8(1.352,0.75)
  rect 1.6x2.44 smd paste-1.207 mask+0: 9(0,0)
  silkscreen extent -2.16,-1.63 1.63,1.63, body extent -1.55,-1.5 1.55,1.5, height 0.78
FIDUCIAL_TOP_S100-200 [mm] "Square Fiducial Target, Top Layer, 1.0mm, Top Solder 2.0mm, Keepout =2.0mm"
  rect 1x1 smd rot 45 paste-0.51 mask+0.5: 1(0,0)
  TOP pour cut-out: 1.414,0 0,-1.414 -1.414,0 0,1.414
HIROSE_U.FL-R-SMT-1(10) [mm] "Up to 6GHz Ultra Small Surface Mount Male Coaxial Connectors U.FL Series"
  rect 1x1.05 smd: 1(0,-1.525)
  rect 1.05x2.2 smd: 2(-1.475,0) 2(1.475,0)
  TOP keep-out lines w0.1: -0.6,-0.65 -0.6,0 cw(c0,0) 0.6,0 0.6,-0.65 -0.6,-0.65
  silkscreen extent -0.7,-0.69 0.7,1.55, body extent -1.5,-1.55 1.5,1.55, height 1.25
"HUBER-SUHNER_85_MMCX-50-0-1/111 OH" [mm] "MMCX 50 Ohm Right Angle PCB Jack"
  round 1.5 hole 0.8: 1(0,0) 2(-1.27,1.27) 2(-1.27,-1.27) 2(1.27,1.27) 2(1.27,-1.27)
  silkscreen extent -1.73,-1.74 4.82,1.74, body extent -1.73,-1.74 4.82,1.74, height 3.8
IND_MURATA_DLW21S [mm] "Common Mode Choke Coil, DLW21S Series - Body 2 x 1.2mm"
  rect 0.9x0.4 smd: 1(-0.85,-0.4) 2(0.85,-0.4) 3(0.85,0.4) 4(-0.85,0.4)
  silkscreen extent -1.92,-0.6 0,0.6, body extent -1,-0.6 1,0.6, height 1.4
IND_WURTH_WE-TPC_4828 [mm] "Shielded Tiny Power Inductor, Body 4.8x4.8mm"
  rect 0.95x5.3 smd: 1(-2.275,0) 2(2.275,0)
  rect 1.05x1.014 smd: 1(-1.275,-2.143) 1(-1.275,2.143) 2(1.275,-2.143) 2(1.275,2.143)
  TOP region: 2.75,-2.65 0.75,-2.65 0.75,-1.636 1.394,-1.138 1.753,-0.407 1.753,0.407 1.394,1.138 0.75,1.636 0.75,1.636 0.75,2.65 2.75,2.65
  TOP region: -2.75,-2.65 -0.75,-2.65 -0.75,-1.636 -1.394,-1.138 -1.753,-0.407 -1.753,0.407 -1.394,1.138 -0.75,1.636 -0.75,1.636 -0.75,2.65 -2.75,2.65
  TOP region: 0.75,-2.65 2.75,-2.65 2.75,2.65 0.75,2.65 0.75,1.636 1.394,1.138 1.753,0.407 1.753,-0.407 1.394,-1.138 0.75,-1.636 0.75,-1.636
  silkscreen extent -0.35,-2.4 0.35,2.4, body extent -2.4,-2.4 2.4,2.4, height 2.8
INDC1005X55N [mm] "Chip Inductor, 2-Leads, EIA 0402, Metric 1005, Body 1x0.5mm, 0402IPC Medium Density"
  rect 0.6x0.62 smd: 1(-0.46,0) 2(0.46,0)
  body extent -0.52,-0.27 0.53,0.28, height 0.55
INDC1608X65N [mm] "Chip Inductor, 2-Leads, EIA 0603, Metric 1608, Body 1.6x0.8mm, IPC Medium Density"
  rect 1x1 smd: 1(-0.75,0) 2(0.75,0)
  body extent -0.87,-0.47 0.88,0.48, height 0.65
INDC2620X100N [mm] "Chip Inductor, EIA 1008, Metric 2520, Body 2.60mm L X 2.00mm W X 1.00mm H, IPC Medium Density"
  rect 1.2x2.2 smd: 1(-1.15,0) 2(1.15,0)
  silkscreen extent 0,-0.9 0,0.9, body extent -1.3,-1 1.3,1, height 1
LED_KINGBRIGHT_KPH-1608CGCK [mm] "SMT Green LED, Case 0603, Body L 1.6 x W 0.8mm H 0.65mm"
  rect 0.8x0.8 smd: 1(-0.825,0) 2(0.825,0)
  silkscreen extent -1.82,-0.4 0.08,0.4, body extent -0.8,-0.4 0.8,0.4, height 0.65
"MSOP8 TI/AD" [mm] "JEDEC MO-187AA Body Width 3 mm; Pitch 0.65 mm"
  rect 0.35x1.2 smd mask+0.15: 1(-0.975,-2.23) 2(-0.325,-2.23) 3(0.325,-2.23) 4(0.975,-2.23) 5(0.975,2.23) 6(0.325,2.23) 7(-0.325,2.23) 8(-0.975,2.23)
  silkscreen extent -1.85,-2.2 1.4,1.4, body extent -1.58,-2.15 1.57,2.15, height 1.1
MTG300_600#1 [mm] "Plated Through Hole: Hole Dia.=3.0mm Pad Dia.=6.0mm"
  oval 5.8x5.4 / inner round 3 / far side oval 5.8x5.4 hole 2.7: 1(0,0)
MTG300_600#2 [mm] "Plated Through Hole: Hole Dia.=3.0mm Pad Dia.=6.0mm"
  oval 4.4x4 / inner round 3 / far side oval 4.4x4 hole 2.7: 1(0,0)
MTG300_600#3 [mm] "Plated Through Hole: Hole Dia.=3.0mm Pad Dia.=6.0mm"
  oval 4.4x4 hole 2.7: 1(0,0)
OSC_CRYSTEK_CVHD-950 [mm] "Oscillator, 5.08mm Pitch; 4 Pin, 14.2mm L X 9.14mm W X 5.3mm H, CVHD-950 Serie"
  rect 2.28x1.27 smd: 1(-3.555,2.54) 2(-3.555,-2.54) 3(3.555,-2.54) 4(3.555,2.54)
  silkscreen extent -5.38,-7.1 4.57,7.1, body extent -4.57,-7.1 4.57,7.1, height 5.3
QFN50P300X300X90-17N-S175 [mm] "QFN, 0.50mm Pitch, Square; 4 pin X 4 pin, 3mm X 3mm X 0.9mm H body (w/thermal tab 1.75 X 1.75mm),  IPC Medium Density"
  oval 0.8x0.3 smd: 1(-1.5,0.75) 2(-1.5,0.25) 3(-1.5,-0.25) 4(-1.5,-0.75) 9(1.5,-0.75) 10(1.5,-0.25) 11(1.5,0.25) 12(1.5,0.75)
  oval 0.3x0.8 smd: 5(-0.75,-1.5) 6(-0.25,-1.5) 7(0.25,-1.5) 8(0.75,-1.5) 13(0.75,1.5) 14(0.25,1.5) 15(-0.25,1.5) 16(-0.75,1.5)
  rect 1.75x1.75 smd: 17(0,0)
  silkscreen extent -2.62,-1.5 1.5,1.5, body extent -1.57,-1.57 1.58,1.58, height 0.9
QFN50P400X400X100-25N-S280 [mm] "QFN, 0.50mm Pitch, Square; 24 Pin, 4.00mm L X 4.00mm W X 1.00mm H body(w/thermal tab 2.8 X 2.8mm), IPC Medium Density"
  oval 0.8x0.3 smd: 1(-2,1.25) 2(-2,0.75) 3(-2,0.25) 4(-2,-0.25) 5(-2,-0.75) 6(-2,-1.25) 13(2,-1.25) 14(2,-0.75) 15(2,-0.25) 16(2,0.25) 17(2,0.75) 18(2,1.25)
  oval 0.3x0.8 smd: 7(-1.25,-2) 8(-0.75,-2) 9(-0.25,-2) 10(0.25,-2) 11(0.75,-2) 12(1.25,-2) 19(1.25,2) 20(0.75,2) 21(0.25,2) 22(-0.25,2) 23(-0.75,2) 24(-1.25,2)
  rect 2.8x2.8 smd: 25(0,0)
  silkscreen extent -3.12,-2 2,2, body extent -2,-2 2,2, height 1
QFN50P900X900X100-65N-S615 [mm] "QFN,0.50mm pitch,square;64 pin,9.00mm L X 9.00mm W X 1.00mm H body (6.15mm X 6.15mm thermal tab), IPC Medium Density"
  oval 0.85x0.3 smd: 1(-4.45,3.75) 2(-4.45,3.25) 3(-4.45,2.75) 4(-4.45,2.25) 5(-4.45,1.75) 6(-4.45,1.25) 7(-4.45,0.75) 8(-4.45,0.25) 9(-4.45,-0.25) 10(-4.45,-0.75) 11(-4.45,-1.25) 12(-4.45,-1.75) 13(-4.45,-2.25) 14(-4.45,-2.75) 15(-4.45,-3.25) 16(-4.45,-3.75) 33(4.45,-3.75) 34(4.45,-3.25) 35(4.45,-2.75) 36(4.45,-2.25) 37(4.45,-1.75) 38(4.45,-1.25) 39(4.45,-0.75) 40(4.45,-0.25) 41(4.45,0.25) 42(4.45,0.75) 43(4.45,1.25) 44(4.45,1.75) 45(4.45,2.25) 46(4.45,2.75) 47(4.45,3.25) 48(4.45,3.75)
  oval 0.3x0.85 smd: 17(-3.75,-4.45) 18(-3.25,-4.45) 19(-2.75,-4.45) 20(-2.25,-4.45) 21(-1.75,-4.45) 22(-1.25,-4.45) 23(-0.75,-4.45) 24(-0.25,-4.45) 25(0.25,-4.45) 26(0.75,-4.45) 27(1.25,-4.45) 28(1.75,-4.45) 29(2.25,-4.45) 30(2.75,-4.45) 31(3.25,-4.45) 32(3.75,-4.45) 49(3.75,4.45) 50(3.25,4.45) 51(2.75,4.45) 52(2.25,4.45) 53(1.75,4.45) 54(1.25,4.45) 55(0.75,4.45) 56(0.25,4.45) 57(-0.25,4.45) 58(-0.75,4.45) 59(-1.25,4.45) 60(-1.75,4.45) 61(-2.25,4.45) 62(-2.75,4.45) 63(-3.25,4.45) 64(-3.75,4.45)
  rect 6.15x6.15 smd: 65(0,0)
  silkscreen extent -5.58,-4.5 4.5,4.5, body extent -4.5,-4.5 4.5,4.5, height 1
QFN50P900X900X100-65N-S725 [mm] "QFN, 0.50mm Pitch, Square; 64 Pin, 9.00mm L X 9.00mm W X 1.00mm H Body (7.25 X 7.25mm Thermal Tab), IPC Medium Density"
  oval 0.9x0.3 smd: 1(-4.45,3.75) 2(-4.45,3.25) 3(-4.45,2.75) 4(-4.45,2.25) 5(-4.45,1.75) 6(-4.45,1.25) 7(-4.45,0.75) 8(-4.45,0.25) 9(-4.45,-0.25) 10(-4.45,-0.75) 11(-4.45,-1.25) 12(-4.45,-1.75) 13(-4.45,-2.25) 14(-4.45,-2.75) 15(-4.45,-3.25) 16(-4.45,-3.75) 33(4.45,-3.75) 34(4.45,-3.25) 35(4.45,-2.75) 36(4.45,-2.25) 37(4.45,-1.75) 38(4.45,-1.25) 39(4.45,-0.75) 40(4.45,-0.25) 41(4.45,0.25) 42(4.45,0.75) 43(4.45,1.25) 44(4.45,1.75) 45(4.45,2.25) 46(4.45,2.75) 47(4.45,3.25) 48(4.45,3.75)
  oval 0.3x0.9 smd: 17(-3.75,-4.45) 18(-3.25,-4.45) 19(-2.75,-4.45) 20(-2.25,-4.45) 21(-1.75,-4.45) 22(-1.25,-4.45) 23(-0.75,-4.45) 24(-0.25,-4.45) 25(0.25,-4.45) 26(0.75,-4.45) 27(1.25,-4.45) 28(1.75,-4.45) 29(2.25,-4.45) 30(2.75,-4.45) 31(3.25,-4.45) 32(3.75,-4.45) 49(3.75,4.45) 50(3.25,4.45) 51(2.75,4.45) 52(2.25,4.45) 53(1.75,4.45) 54(1.25,4.45) 55(0.75,4.45) 56(0.25,4.45) 57(-0.25,4.45) 58(-0.75,4.45) 59(-1.25,4.45) 60(-1.75,4.45) 61(-2.25,4.45) 62(-2.75,4.45) 63(-3.25,4.45) 64(-3.75,4.45)
  rect 7.25x7.25 smd: 65(0,0)
  silkscreen extent -5.62,-4.5 4.5,4.5, body extent -4.5,-4.5 4.5,4.5, height 1
QFN50P1000X1000X100-73N-S545 [mm] "QFN,0.50mm Pitch, Square;72 Pin,10.00mm L X 10.00mm W X 1.00mm H Body (W/Thermal Tab 5.45mm X 5.45mm), IPC Medium Density"
  oval 0.85x0.3 smd: 1(-4.95,4.25) 2(-4.95,3.75) 3(-4.95,3.25) 4(-4.95,2.75) 5(-4.95,2.25) 6(-4.95,1.75) 7(-4.95,1.25) 8(-4.95,0.75) 9(-4.95,0.25) 10(-4.95,-0.25) 11(-4.95,-0.75) 12(-4.95,-1.25) 13(-4.95,-1.75) 14(-4.95,-2.25) 15(-4.95,-2.75) 16(-4.95,-3.25) 17(-4.95,-3.75) 18(-4.95,-4.25) 37(4.95,-4.25) 38(4.95,-3.75) 39(4.95,-3.25) 40(4.95,-2.75) 41(4.95,-2.25) 42(4.95,-1.75) 43(4.95,-1.25) 44(4.95,-0.75) 45(4.95,-0.25) 46(4.95,0.25) 47(4.95,0.75) 48(4.95,1.25) 49(4.95,1.75) 50(4.95,2.25) 51(4.95,2.75) 52(4.95,3.25) 53(4.95,3.75) 54(4.95,4.25)
  oval 0.3x0.85 smd: 19(-4.25,-4.95) 20(-3.75,-4.95) 21(-3.25,-4.95) 22(-2.75,-4.95) 23(-2.25,-4.95) 24(-1.75,-4.95) 25(-1.25,-4.95) 26(-0.75,-4.95) 27(-0.25,-4.95) 28(0.25,-4.95) 29(0.75,-4.95) 30(1.25,-4.95) 31(1.75,-4.95) 32(2.25,-4.95) 33(2.75,-4.95) 34(3.25,-4.95) 35(3.75,-4.95) 36(4.25,-4.95) 55(4.25,4.95) 56(3.75,4.95) 57(3.25,4.95) 58(2.75,4.95) 59(2.25,4.95) 60(1.75,4.95) 61(1.25,4.95) 62(0.75,4.95) 63(0.25,4.95) 64(-0.25,4.95) 65(-0.75,4.95) 66(-1.25,4.95) 67(-1.75,4.95) 68(-2.25,4.95) 69(-2.75,4.95) 70(-3.25,4.95) 71(-3.75,4.95) 72(-4.25,4.95)
  rect 5.45x5.45 smd: 73(0,0)
  silkscreen extent -6.07,-5 5,5, body extent -5,-5 5,5, height 1
QFN65P400X400X100-17N-S225 [mm] "QFN, 0.65mm pitch,square; 4 pin X 4 pin, 4mm X 4mm X 1mm H body (w/thermal tab 2.25 X 2.25mm),  IPC Medium Density"
  oval 1.05x0.35 smd: 1(-1.85,0.975) 2(-1.85,0.325) 3(-1.85,-0.325) 4(-1.85,-0.975) 9(1.85,-0.975) 10(1.85,-0.325) 11(1.85,0.325) 12(1.85,0.975)
  oval 0.35x1.05 smd: 5(-0.975,-1.85) 6(-0.325,-1.85) 7(0.325,-1.85) 8(0.975,-1.85) 13(0.975,1.85) 14(0.325,1.85) 15(-0.325,1.85) 16(-0.975,1.85)
  rect 2.25x2.25 smd: 17(0,0)
  silkscreen extent -3.07,-2 2,2, body extent -2,-2 2,2, height 1
RESC0603X28N [mm] "Chip Resistor, EIA 0201, Metric 0603, Body 0.6 x 0.3mm, IPC Medium Density"
  rect 0.46x0.42 smd: 1(-0.33,0) 2(0.33,0)
  body extent -0.32,-0.17 0.33,0.18, height 0.28
RESC1005X40N#1 [mm] "Chip Resistor, EIA 0402, Metric 1005, Body 1.0x0.5mm, IPC Medium Density"
  rect 0.58x0.62 smd: 1(-0.47,0) 2(0.47,0)
  body extent -0.52,-0.27 0.53,0.28, height 0.4
RESC1005X40N#2 [mm] "Chip Resistor, EIA 0402, Metric 1005, Body 1.0x0.5mm, IPC Medium Density"
  rect 0.6x0.6 smd: 1(-0.45,0) 2(0.45,0)
  body extent -0.52,-0.27 0.53,0.28, height 0.4
RESC1608X55N [mm] "Chip Resistor, EIA 0603, Metric 1608, Body 1.6x0.8mm, IPC Medium Density"
  rect 0.9x1 smd: 1(-0.8,0) 2(0.8,0)
  body extent -0.87,-0.47 0.88,0.48, height 0.55
RESC3225X70N [mm] "Chip Resistor, EIA 1210, Metric 3225, Body 3.2x2.5mm, IPC Medium Density"
  rect 1.15x2.7 smd: 1(-1.5,0) 2(1.5,0)
  silkscreen extent -0.55,-1.25 0.55,1.25, body extent -1.7,-1.35 1.7,1.35, height 0.7